# KiCad board GPDI_ULX3S_panel.kicad_pcb (continued)
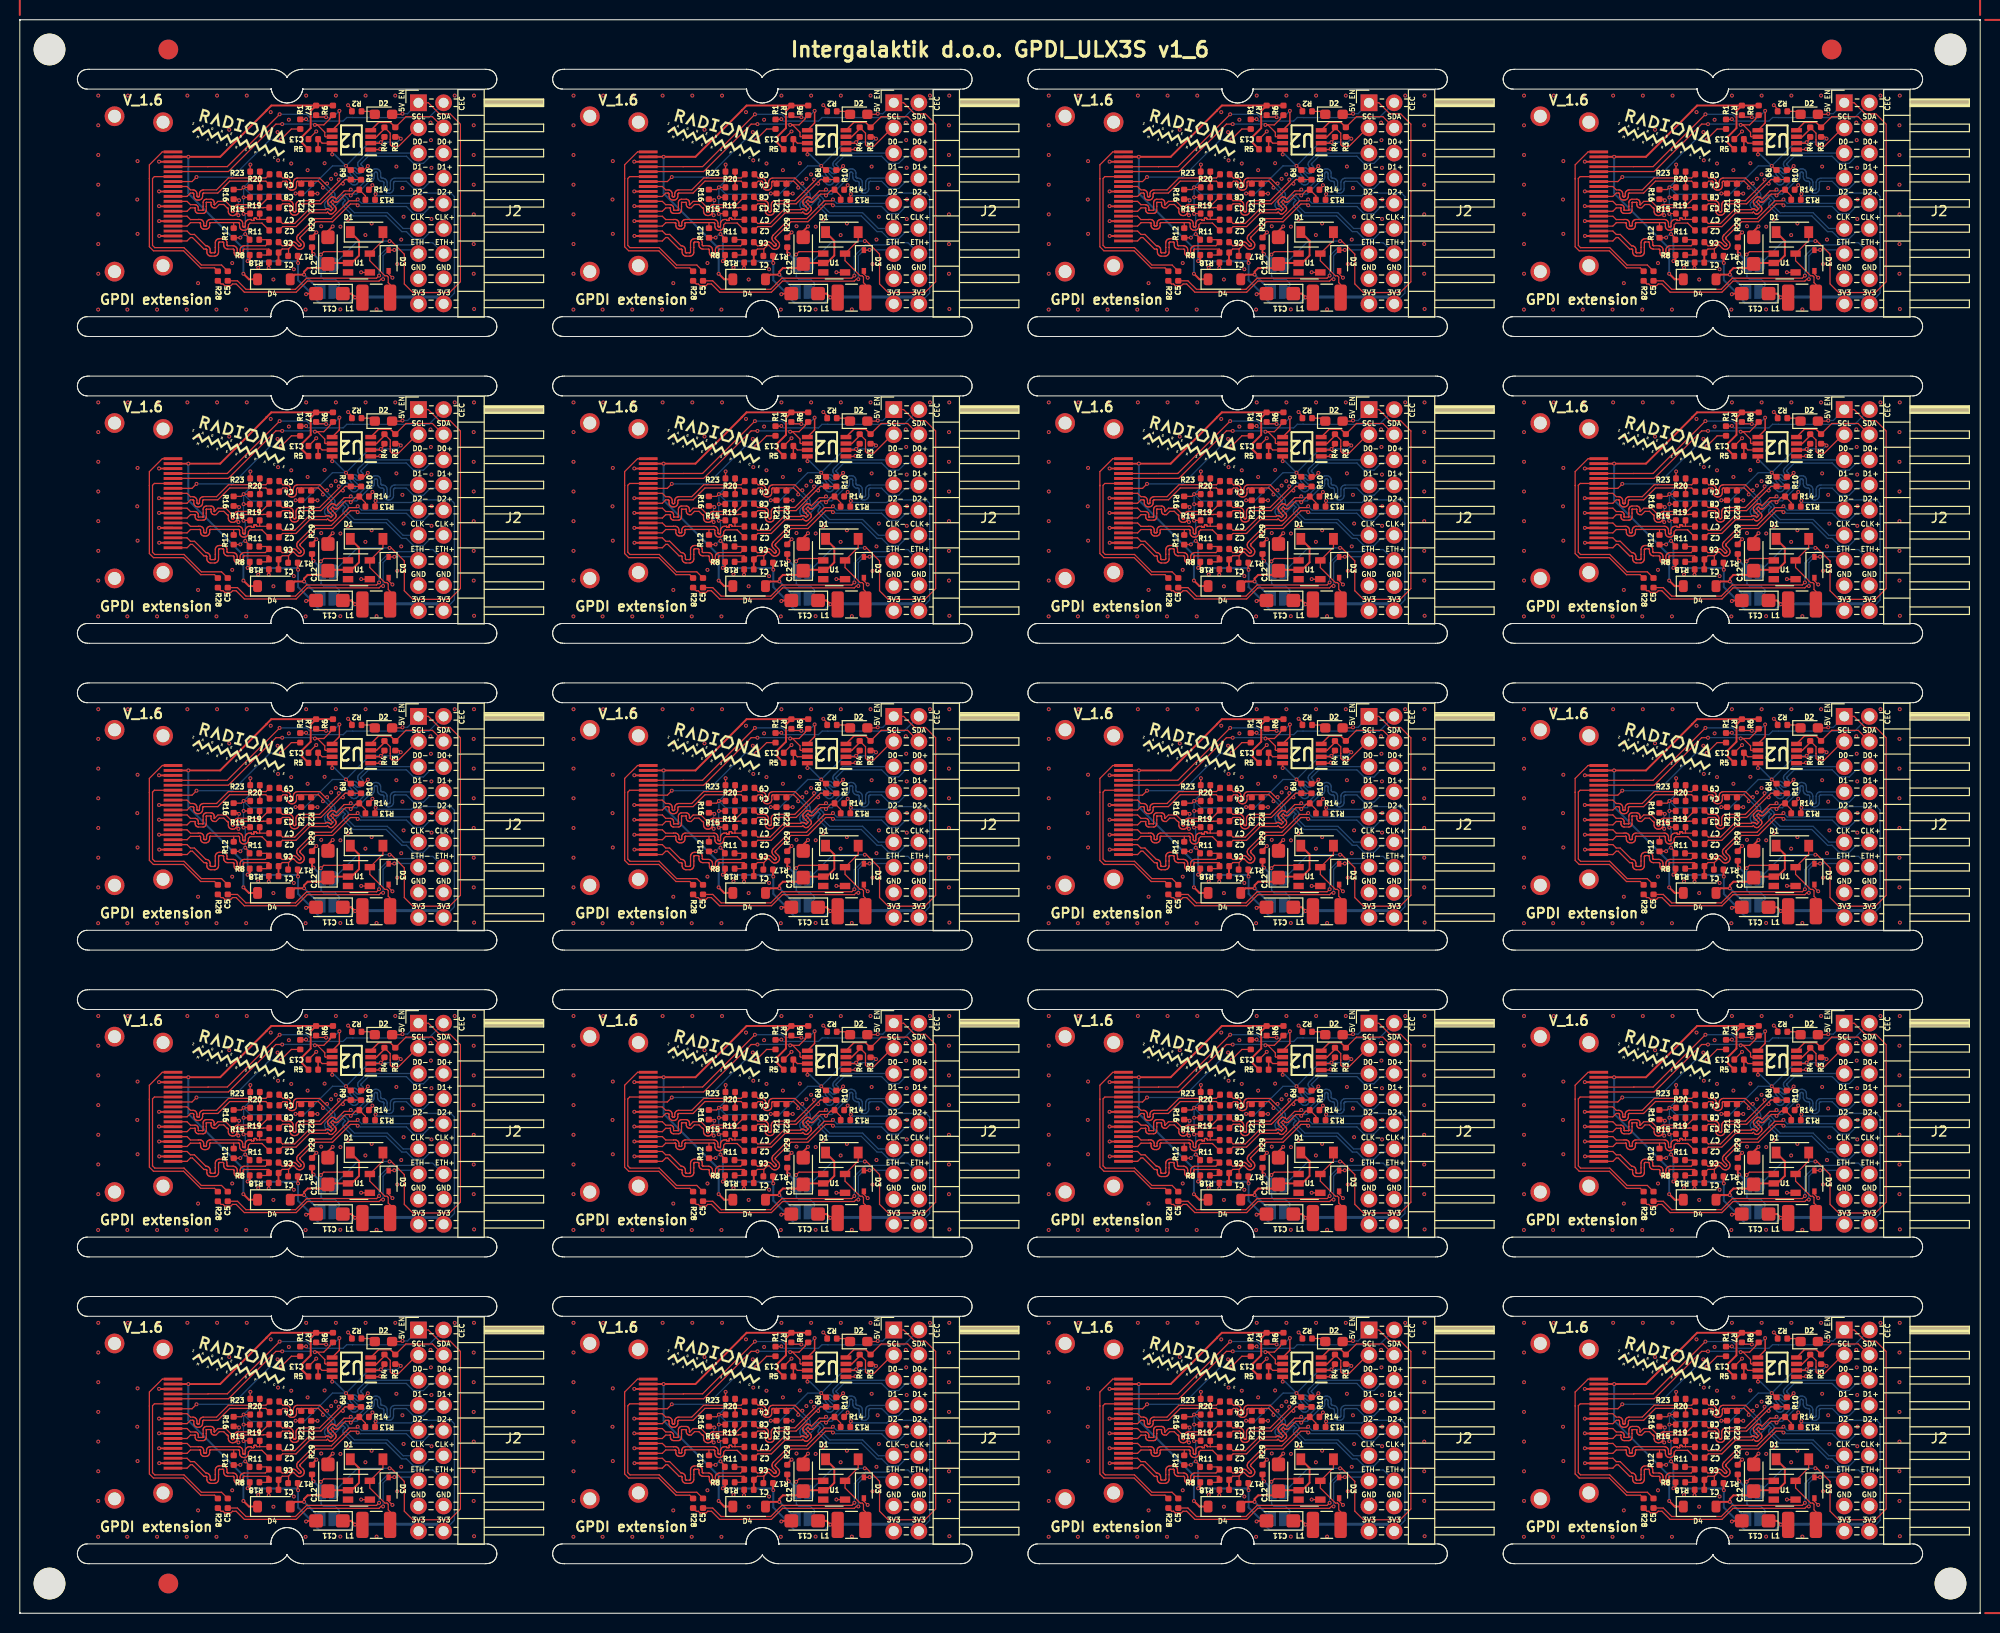
[diagram p0: board, top side]
## Nets (continued)
Board_6-GPDI_ETH+: C5#16.1 J2#5.14
Board_6-GPDI_ETH-: D3#5.1 J2#5.13 R28#18.2
Board_6-GPDI_SCL: P1#10.15 R6.2 U2#14.6
Board_6-GPDI_SDA: P1#10.16 R7#2.2 U2#14.5
Board_6-Net-(D1-A): D1#15.2 L1#9.2 U1#11.5
Board_6-Net-(D1-K): C12#4.1 D1#15.1 D4#13.2 JP2#19.1 U1#11.2
Board_6-Net-(D2-K): D2#20.1 R2#12.1
Board_6-Net-(U2-VREF2): C13#9.1 R5.2 U2#14.7
Board_6-PMOD_SCL: J2#5.3 R4#9.2 U2#14.3
Board_6-PMOD_SDA: J2#5.4 R3#8.2 U2#14.4
Board_7-5V_ENABLE: D2#12.2 J2#17.1 JP1#4.1 JP1#4.2 JP2#2.2 R29#15.1 U1#10.1
Board_7-+3V3: C11.1 J2#17.17 J2#17.18 L1#7.1 R3#9.1 R4#3.1 R8#17.1 R9#6.1 R11#3.1 R12#17.1 R13#13.1 R15#6.1 R16#13.1 R17#18.1 R19#13.1 R20#16.1 R21#15.1 R23#2.1 U2#7.2 U2#7.8
Board_7-+5V: D4#19.1 P1#13.18 R5#20.1 R6#8.1 R7#17.1
Board_7-/CEC: P1#13.13 R1#11.1
Board_7-/CLK+: C4#16.2 P1#13.10 R20#16.2
Board_7-/CLK-: C9#2.2 P1#13.12 R23#2.2
Board_7-/D0+: C3.2 P1#13.7 R16#13.2
Board_7-/D0-: C8#9.2 P1#13.9 R19#13.2
Board_7-/D1+: C2#5.2 P1#13.4 R12#17.2
Board_7-/D1-: C7#3.2 P1#13.6 R15#6.2
Board_7-/D2+: C1#20.2 P1#13.1 R8#17.2
Board_7-/D2-: C6#12.2 P1#13.3 R11#3.2
Board_7-/ETH+: C5#11.2 P1#13.14
Board_7-/ETH-: P1#13.19 R28#10.1
Board_7-GND: C11.2 C12#14.2 C13#2.2 D3#2.2 J2#17.15 J2#17.16 P1#13.0 P1#13.2 P1#13.5 P1#13.8 P1#13.11 P1#13.17 R2#11.2 R10#19.2 R14#17.2 R18#4.2 R22#6.2 R29#15.2 U1#10.4 U2#7.1
Board_7-GPDI_CEC: J2#17.2 R1#11.2
Board_7-GPDI_CLK+: C4#16.1 J2#17.12 R21#15.2 R22#6.1
Board_7-GPDI_CLK-: C9#2.1 J2#17.11
Board_7-GPDI_D0+: C3.1 J2#17.6 R9#6.2 R10#19.1
Board_7-GPDI_D0-: C8#9.1 J2#17.5
Board_7-GPDI_D1+: C2#5.1 J2#17.8 R13#13.2 R14#17.1
Board_7-GPDI_D1-: C7#3.1 J2#17.7
Board_7-GPDI_D2+: C1#20.1 J2#17.10 R17#18.2 R18#4.1
Board_7-GPDI_D2-: C6#12.1 J2#17.9
Board_7-GPDI_ETH+: C5#11.1 J2#17.14
Board_7-GPDI_ETH-: D3#2.1 J2#17.13 R28#10.2
Board_7-GPDI_SCL: P1#13.15 R6#8.2 U2#7.6
Board_7-GPDI_SDA: P1#13.16 R7#17.2 U2#7.5
Board_7-Net-(D1-A): D1#18.2 L1#7.2 U1#10.5
Board_7-Net-(D1-K): C12#14.1 D1#18.1 D4#19.2 JP2#2.1 U1#10.2
Board_7-Net-(D2-K): D2#12.1 R2#11.1
Board_7-Net-(U2-VREF2): C13#2.1 R5#20.2 U2#7.7
Board_7-PMOD_SCL: J2#17.3 R4#3.2 U2#7.3
Board_7-PMOD_SDA: J2#17.4 R3#9.2 U2#7.4
Board_8-5V_ENABLE: D2#3.2 J2#7.1 JP1#18.1 JP1#18.2 JP2#16.2 R29#3.1 U1#19.1
Board_8-+3V3: C11#4.1 J2#7.17 J2#7.18 L1#6.1 R3#10.1 R4#4.1 R8#7.1 R9#5.1 R11#16.1 R12#3.1 R13#12.1 R15#18.1 R16#17.1 R17#13.1 R19#17.1 R20#15.1 R21#19.1 R23#7.1 U2#3.2 U2#3.8
Board_8-+5V: D4#12.1 P1#11.18 R5#18.1 R6#11.1 R7#19.1
Board_8-/CEC: P1#11.13 R1#12.1
Board_8-/CLK+: C4.2 P1#11.10 R20#15.2
Board_8-/CLK-: C9#9.2 P1#11.12 R23#7.2
Board_8-/D0+: C3#14.2 P1#11.7 R16#17.2
Board_8-/D0-: C8#16.2 P1#11.9 R19#17.2
Board_8-/D1+: C2#17.2 P1#11.4 R12#3.2
Board_8-/D1-: C7.2 P1#11.6 R15#18.2
Board_8-/D2+: C1#16.2 P1#11.1 R8#7.2
Board_8-/D2-: C6#19.2 P1#11.3 R11#16.2
Board_8-/ETH+: C5.2 P1#11.14
Board_8-/ETH-: P1#11.19 R28#7.1
Board_8-GND: C11#4.2 C12#17.2 C13#16.2 D3#6.2 J2#7.15 J2#7.16 P1#11.0 P1#11.2 P1#11.5 P1#11.8 P1#11.11 P1#11.17 R2#5.2 R10#16.2 R14#14.2 R18#14.2 R22#20.2 R29#3.2 U1#19.4 U2#3.1
Board_8-GPDI_CEC: J2#7.2 R1#12.2
Board_8-GPDI_CLK+: C4.1 J2#7.12 R21#19.2 R22#20.1
Board_8-GPDI_CLK-: C9#9.1 J2#7.11
Board_8-GPDI_D0+: C3#14.1 J2#7.6 R9#5.2 R10#16.1
Board_8-GPDI_D0-: C8#16.1 J2#7.5
Board_8-GPDI_D1+: C2#17.1 J2#7.8 R13#12.2 R14#14.1
Board_8-GPDI_D1-: C7.1 J2#7.7
Board_8-GPDI_D2+: C1#16.1 J2#7.10 R17#13.2 R18#14.1
Board_8-GPDI_D2-: C6#19.1 J2#7.9
Board_8-GPDI_ETH+: C5.1 J2#7.14
Board_8-GPDI_ETH-: D3#6.1 J2#7.13 R28#7.2
Board_8-GPDI_SCL: P1#11.15 R6#11.2 U2#3.6
Board_8-GPDI_SDA: P1#11.16 R7#19.2 U2#3.5
Board_8-Net-(D1-A): D1#14.2 L1#6.2 U1#19.5
Board_8-Net-(D1-K): C12#17.1 D1#14.1 D4#12.2 JP2#16.1 U1#19.2
Board_8-Net-(D2-K): D2#3.1 R2#5.1
Board_8-Net-(U2-VREF2): C13#16.1 R5#18.2 U2#3.7
Board_8-PMOD_SCL: J2#7.3 R4#4.2 U2#3.3
Board_8-PMOD_SDA: J2#7.4 R3#10.2 U2#3.4
Board_9-5V_ENABLE: D2#5.2 J2.1 JP1#5.1 JP1#5.2 JP2#7.2 R29#6.1 U1#16.1
Board_9-+3V3: C11#5.1 J2.17 J2.18 L1#13.1 R3#7.1 R4#13.1 R8#4.1 R9#4.1 R11#20.1 R12#2.1 R13#17.1 R15#19.1 R16.1 R17#5.1 R19#3.1 R20#4.1 R21#4.1 R23#17.1 U2#15.2 U2#15.8
Board_9-+5V: D4#3.1 P1#3.18 R5#7.1 R6#18.1 R7#6.1
Board_9-/CEC: P1#3.13 R1#6.1
Board_9-/CLK+: C4#3.2 P1#3.10 R20#4.2
Board_9-/CLK-: C9#3.2 P1#3.12 R23#17.2
Board_9-/D0+: C3#19.2 P1#3.7 R16.2
Board_9-/D0-: C8#4.2 P1#3.9 R19#3.2
Board_9-/D1+: C2#19.2 P1#3.4 R12#2.2
Board_9-/D1-: C7#6.2 P1#3.6 R15#19.2
Board_9-/D2+: C1#4.2 P1#3.1 R8#4.2
Board_9-/D2-: C6#8.2 P1#3.3 R11#20.2
Board_9-/ETH+: C5#20.2 P1#3.14
Board_9-/ETH-: P1#3.19 R28#2.1
Board_9-GND: C11#5.2 C12#18.2 C13#4.2 D3#4.2 J2.15 J2.16 P1#3.0 P1#3.2 P1#3.5 P1#3.8 P1#3.11 P1#3.17 R2#17.2 R10#7.2 R14#8.2 R18#17.2 R22#3.2 R29#6.2 U1#16.4 U2#15.1
Board_9-GPDI_CEC: J2.2 R1#6.2
Board_9-GPDI_CLK+: C4#3.1 J2.12 R21#4.2 R22#3.1
Board_9-GPDI_CLK-: C9#3.1 J2.11
Board_9-GPDI_D0+: C3#19.1 J2.6 R9#4.2 R10#7.1
Board_9-GPDI_D0-: C8#4.1 J2.5
Board_9-GPDI_D1+: C2#19.1 J2.8 R13#17.2 R14#8.1
Board_9-GPDI_D1-: C7#6.1 J2.7
Board_9-GPDI_D2+: C1#4.1 J2.10 R17#5.2 R18#17.1
Board_9-GPDI_D2-: C6#8.1 J2.9
Board_9-GPDI_ETH+: C5#20.1 J2.14
Board_9-GPDI_ETH-: D3#4.1 J2.13 R28#2.2
Board_9-GPDI_SCL: P1#3.15 R6#18.2 U2#15.6
Board_9-GPDI_SDA: P1#3.16 R7#6.2 U2#15.5
Board_9-Net-(D1-A): D1#11.2 L1#13.2 U1#16.5
Board_9-Net-(D1-K): C12#18.1 D1#11.1 D4#3.2 JP2#7.1 U1#16.2
Board_9-Net-(D2-K): D2#5.1 R2#17.1
Board_9-Net-(U2-VREF2): C13#4.1 R5#7.2 U2#15.7
Board_9-PMOD_SCL: J2.3 R4#13.2 U2#15.3
Board_9-PMOD_SDA: J2.4 R3#7.2 U2#15.4
Board_10-5V_ENABLE: D2#9.2 J2#13.1 JP1#9.1 JP1#9.2 JP2#13.2 R29#11.1 U1#9.1
Board_10-+3V3: C11#7.1 J2#13.17 J2#13.18 L1#10.1 R3#17.1 R4#6.1 R8#8.1 R9#8.1 R11#11.1 R12.1 R13#15.1 R15#3.1 R16#18.1 R17#4.1 R19#20.1 R20#9.1 R21#16.1 R23#19.1 U2#9.2 U2#9.8
Board_10-+5V: D4#18.1 P1#14.18 R5#17.1 R6#20.1 R7#10.1
Board_10-/CEC: P1#14.13 R1#14.1
Board_10-/CLK+: C4#17.2 P1#14.10 R20#9.2
Board_10-/CLK-: C9#14.2 P1#14.12 R23#19.2
Board_10-/D0+: C3#3.2 P1#14.7 R16#18.2
Board_10-/D0-: C8#3.2 P1#14.9 R19#20.2
Board_10-/D1+: C2#7.2 P1#14.4 R12.2
Board_10-/D1-: C7#18.2 P1#14.6 R15#3.2
Board_10-/D2+: C1#11.2 P1#14.1 R8#8.2
Board_10-/D2-: C6#18.2 P1#14.3 R11#11.2
Board_10-/ETH+: C5#7.2 P1#14.14
Board_10-/ETH-: P1#14.19 R28#17.1
Board_10-GND: C11#7.2 C12#19.2 C13#11.2 D3#9.2 J2#13.15 J2#13.16 P1#14.0 P1#14.2 P1#14.5 P1#14.8 P1#14.11 P1#14.17 R2#6.2 R10#11.2 R14#16.2 R18#12.2 R22#7.2 R29#11.2 U1#9.4 U2#9.1
Board_10-GPDI_CEC: J2#13.2 R1#14.2
Board_10-GPDI_CLK+: C4#17.1 J2#13.12 R21#16.2 R22#7.1
Board_10-GPDI_CLK-: C9#14.1 J2#13.11
Board_10-GPDI_D0+: C3#3.1 J2#13.6 R9#8.2 R10#11.1
Board_10-GPDI_D0-: C8#3.1 J2#13.5
Board_10-GPDI_D1+: C2#7.1 J2#13.8 R13#15.2 R14#16.1
Board_10-GPDI_D1-: C7#18.1 J2#13.7
Board_10-GPDI_D2+: C1#11.1 J2#13.10 R17#4.2 R18#12.1
Board_10-GPDI_D2-: C6#18.1 J2#13.9
Board_10-GPDI_ETH+: C5#7.1 J2#13.14
Board_10-GPDI_ETH-: D3#9.1 J2#13.13 R28#17.2
Board_10-GPDI_SCL: P1#14.15 R6#20.2 U2#9.6
Board_10-GPDI_SDA: P1#14.16 R7#10.2 U2#9.5
Board_10-Net-(D1-A): D1#5.2 L1#10.2 U1#9.5
Board_10-Net-(D1-K): C12#19.1 D1#5.1 D4#18.2 JP2#13.1 U1#9.2
Board_10-Net-(D2-K): D2#9.1 R2#6.1
Board_10-Net-(U2-VREF2): C13#11.1 R5#17.2 U2#9.7
Board_10-PMOD_SCL: J2#13.3 R4#6.2 U2#9.3
Board_10-PMOD_SDA: J2#13.4 R3#17.2 U2#9.4
Board_11-5V_ENABLE: D2.2 J2#12.1 JP1#17.1 JP1#17.2 JP2#11.2 R29#7.1 U1#17.1
Board_11-+3V3: C11#18.1 J2#12.17 J2#12.18 L1#5.1 R3#15.1 R4#18.1 R8#10.1 R9#10.1 R11#5.1 R12#15.1 R13#10.1 R15#20.1 R16#14.1 R17#2.1 R19#4.1 R20.1 R21#12.1 R23#15.1 U2#5.2 U2#5.8
Board_11-+5V: D4#17.1 P1#8.18 R5#4.1 R6#7.1 R7#5.1
Board_11-/CEC: P1#8.13 R1#17.1
Board_11-/CLK+: C4#6.2 P1#8.10 R20.2
Board_11-/CLK-: C9#11.2 P1#8.12 R23#15.2
Board_11-/D0+: C3#15.2 P1#8.7 R16#14.2
Board_11-/D0-: C8#14.2 P1#8.9 R19#4.2
Board_11-/D1+: C2#14.2 P1#8.4 R12#15.2
Board_11-/D1-: C7#13.2 P1#8.6 R15#20.2
Board_11-/D2+: C1#15.2 P1#8.1 R8#10.2
Board_11-/D2-: C6#20.2 P1#8.3 R11#5.2
Board_11-/ETH+: C5#5.2 P1#8.14
Board_11-/ETH-: P1#8.19 R28#19.1
Board_11-GND: C11#18.2 C12#11.2 C13#14.2 D3#7.2 J2#12.15 J2#12.16 P1#8.0 P1#8.2 P1#8.5 P1#8.8 P1#8.11 P1#8.17 R2#9.2 R10#15.2 R14#18.2 R18#15.2 R22#18.2 R29#7.2 U1#17.4 U2#5.1
Board_11-GPDI_CEC: J2#12.2 R1#17.2
Board_11-GPDI_CLK+: C4#6.1 J2#12.12 R21#12.2 R22#18.1
Board_11-GPDI_CLK-: C9#11.1 J2#12.11
Board_11-GPDI_D0+: C3#15.1 J2#12.6 R9#10.2 R10#15.1
Board_11-GPDI_D0-: C8#14.1 J2#12.5
Board_11-GPDI_D1+: C2#14.1 J2#12.8 R13#10.2 R14#18.1
Board_11-GPDI_D1-: C7#13.1 J2#12.7
Board_11-GPDI_D2+: C1#15.1 J2#12.10 R17#2.2 R18#15.1
Board_11-GPDI_D2-: C6#20.1 J2#12.9
Board_11-GPDI_ETH+: C5#5.1 J2#12.14
Board_11-GPDI_ETH-: D3#7.1 J2#12.13 R28#19.2
Board_11-GPDI_SCL: P1#8.15 R6#7.2 U2#5.6
Board_11-GPDI_SDA: P1#8.16 R7#5.2 U2#5.5
Board_11-Net-(D1-A): D1#10.2 L1#5.2 U1#17.5
Board_11-Net-(D1-K): C12#11.1 D1#10.1 D4#17.2 JP2#11.1 U1#17.2
Board_11-Net-(D2-K): D2.1 R2#9.1
Board_11-Net-(U2-VREF2): C13#14.1 R5#4.2 U2#5.7
Board_11-PMOD_SCL: J2#12.3 R4#18.2 U2#5.3
Board_11-PMOD_SDA: J2#12.4 R3#15.2 U2#5.4
Board_12-5V_ENABLE: D2#14.2 J2#14.1 JP1#13.1 JP1#13.2 JP2#12.2 R29#9.1 U1#2.1
Board_12-+3V3: C11#8.1 J2#14.17 J2#14.18 L1#12.1 R3#16.1 R4#17.1 R8#11.1 R9#15.1 R11#12.1 R12#9.1 R13#14.1 R15#17.1 R16#4.1 R17#14.1 R19#14.1 R20#11.1 R21#2.1 R23#12.1 U2#8.2 U2#8.8
Board_12-+5V: D4#5.1 P1#17.18 R5#12.1 R6#13.1 R7#18.1
Board_12-/CEC: P1#17.13 R1#8.1
Board_12-/CLK+: C4#18.2 P1#17.10 R20#11.2
Board_12-/CLK-: C9#8.2 P1#17.12 R23#12.2
Board_12-/D0+: C3#16.2 P1#17.7 R16#4.2
Board_12-/D0-: C8#18.2 P1#17.9 R19#14.2
Board_12-/D1+: C2#10.2 P1#17.4 R12#9.2
Board_12-/D1-: C7#17.2 P1#17.6 R15#17.2
Board_12-/D2+: C1#9.2 P1#17.1 R8#11.2
Board_12-/D2-: C6#5.2 P1#17.3 R11#12.2
Board_12-/ETH+: C5#14.2 P1#17.14
Board_12-/ETH-: P1#17.19 R28#14.1
Board_12-GND: C11#8.2 C12#5.2 C13#17.2 D3#15.2 J2#14.15 J2#14.16 P1#17.0 P1#17.2 P1#17.5 P1#17.8 P1#17.11 P1#17.17 R2#14.2 R10.2 R14#7.2 R18.2 R22#19.2 R29#9.2 U1#2.4 U2#8.1
Board_12-GPDI_CEC: J2#14.2 R1#8.2
Board_12-GPDI_CLK+: C4#18.1 J2#14.12 R21#2.2 R22#19.1
Board_12-GPDI_CLK-: C9#8.1 J2#14.11
Board_12-GPDI_D0+: C3#16.1 J2#14.6 R9#15.2 R10.1
Board_12-GPDI_D0-: C8#18.1 J2#14.5
Board_12-GPDI_D1+: C2#10.1 J2#14.8 R13#14.2 R14#7.1
Board_12-GPDI_D1-: C7#17.1 J2#14.7
Board_12-GPDI_D2+: C1#9.1 J2#14.10 R17#14.2 R18.1
Board_12-GPDI_D2-: C6#5.1 J2#14.9
Board_12-GPDI_ETH+: C5#14.1 J2#14.14
Board_12-GPDI_ETH-: D3#15.1 J2#14.13 R28#14.2
Board_12-GPDI_SCL: P1#17.15 R6#13.2 U2#8.6
Board_12-GPDI_SDA: P1#17.16 R7#18.2 U2#8.5
Board_12-Net-(D1-A): D1#4.2 L1#12.2 U1#2.5
Board_12-Net-(D1-K): C12#5.1 D1#4.1 D4#5.2 JP2#12.1 U1#2.2
Board_12-Net-(D2-K): D2#14.1 R2#14.1
Board_12-Net-(U2-VREF2): C13#17.1 R5#12.2 U2#8.7
Board_12-PMOD_SCL: J2#14.3 R4#17.2 U2#8.3
Board_12-PMOD_SDA: J2#14.4 R3#16.2 U2#8.4
Board_13-5V_ENABLE: D2#8.2 J2#3.1 JP1#7.1 JP1#7.2 JP2#8.2 R29#14.1 U1#20.1
Board_13-+3V3: C11#17.1 J2#3.17 J2#3.18 L1#4.1 R3#4.1 R4#5.1 R8#3.1 R9#17.1 R11#10.1 R12#13.1 R13#7.1 R15#4.1 R16#2.1 R17#11.1 R19#6.1 R20#3.1 R21.1 R23#8.1 U2#6.2 U2#6.8
Board_13-+5V: D4#6.1 P1#7.18 R5#14.1 R6#19.1 R7#4.1
Board_13-/CEC: P1#7.13 R1#4.1
Board_13-/CLK+: C4#2.2 P1#7.10 R20#3.2
Board_13-/CLK-: C9#6.2 P1#7.12 R23#8.2
Board_13-/D0+: C3#4.2 P1#7.7 R16#2.2
Board_13-/D0-: C8#10.2 P1#7.9 R19#6.2
Board_13-/D1+: C2#15.2 P1#7.4 R12#13.2
Board_13-/D1-: C7#14.2 P1#7.6 R15#4.2
Board_13-/D2+: C1#19.2 P1#7.1 R8#3.2
Board_13-/D2-: C6#13.2 P1#7.3 R11#10.2
Board_13-/ETH+: C5#4.2 P1#7.14
Board_13-/ETH-: P1#7.19 R28#5.1
Board_13-GND: C11#17.2 C12#3.2 C13#19.2 D3#16.2 J2#3.15 J2#3.16 P1#7.0 P1#7.2 P1#7.5 P1#7.8 P1#7.11 P1#7.17 R2#4.2 R10#20.2 R14#20.2 R18#13.2 R22#8.2 R29#14.2 U1#20.4 U2#6.1
Board_13-GPDI_CEC: J2#3.2 R1#4.2
Board_13-GPDI_CLK+: C4#2.1 J2#3.12 R21.2 R22#8.1
Board_13-GPDI_CLK-: C9#6.1 J2#3.11
Board_13-GPDI_D0+: C3#4.1 J2#3.6 R9#17.2 R10#20.1
Board_13-GPDI_D0-: C8#10.1 J2#3.5
Board_13-GPDI_D1+: C2#15.1 J2#3.8 R13#7.2 R14#20.1
Board_13-GPDI_D1-: C7#14.1 J2#3.7
Board_13-GPDI_D2+: C1#19.1 J2#3.10 R17#11.2 R18#13.1
Board_13-GPDI_D2-: C6#13.1 J2#3.9
Board_13-GPDI_ETH+: C5#4.1 J2#3.14
Board_13-GPDI_ETH-: D3#16.1 J2#3.13 R28#5.2
Board_13-GPDI_SCL: P1#7.15 R6#19.2 U2#6.6
Board_13-GPDI_SDA: P1#7.16 R7#4.2 U2#6.5
Board_13-Net-(D1-A): D1#7.2 L1#4.2 U1#20.5
Board_13-Net-(D1-K): C12#3.1 D1#7.1 D4#6.2 JP2#8.1 U1#20.2
Board_13-Net-(D2-K): D2#8.1 R2#4.1
Board_13-Net-(U2-VREF2): C13#19.1 R5#14.2 U2#6.7
Board_13-PMOD_SCL: J2#3.3 R4#5.2 U2#6.3
Board_13-PMOD_SDA: J2#3.4 R3#4.2 U2#6.4
Board_14-5V_ENABLE: D2#18.2 J2#11.1 JP1#19.1 JP1#19.2 JP2#9.2 R29.1 U1#15.1
Board_14-+3V3: C11#16.1 J2#11.17 J2#11.18 L1#17.1 R3#3.1 R4#11.1 R8#20.1 R9#19.1 R11#18.1 R12#8.1 R13#5.1 R15#8.1 R16#7.1 R17#9.1 R19#8.1 R20#19.1 R21#5.1 R23#16.1 U2#13.2 U2#13.8
Board_14-+5V: D4#20.1 P1#19.18 R5#6.1 R6#2.1 R7#9.1
Board_14-/CEC: P1#19.13 R1#16.1
Board_14-/CLK+: C4#15.2 P1#19.10 R20#19.2
Board_14-/CLK-: C9#7.2 P1#19.12 R23#16.2
Board_14-/D0+: C3#10.2 P1#19.7 R16#7.2
Board_14-/D0-: C8#2.2 P1#19.9 R19#8.2
Board_14-/D1+: C2.2 P1#19.4 R12#8.2
Board_14-/D1-: C7#10.2 P1#19.6 R15#8.2
Board_14-/D2+: C1#8.2 P1#19.1 R8#20.2
Board_14-/D2-: C6#7.2 P1#19.3 R11#18.2
Board_14-/ETH+: C5#3.2 P1#19.14
Board_14-/ETH-: P1#19.19 R28#4.1
Board_14-GND: C11#16.2 C12#8.2 C13#13.2 D3#8.2 J2#11.15 J2#11.16 P1#19.0 P1#19.2 P1#19.5 P1#19.8 P1#19.11 P1#19.17 R2#13.2 R10#3.2 R14#13.2 R18#5.2 R22#2.2 R29.2 U1#15.4 U2#13.1
Board_14-GPDI_CEC: J2#11.2 R1#16.2
Board_14-GPDI_CLK+: C4#15.1 J2#11.12 R21#5.2 R22#2.1
Board_14-GPDI_CLK-: C9#7.1 J2#11.11
Board_14-GPDI_D0+: C3#10.1 J2#11.6 R9#19.2 R10#3.1
Board_14-GPDI_D0-: C8#2.1 J2#11.5
Board_14-GPDI_D1+: C2.1 J2#11.8 R13#5.2 R14#13.1
Board_14-GPDI_D1-: C7#10.1 J2#11.7
Board_14-GPDI_D2+: C1#8.1 J2#11.10 R17#9.2 R18#5.1
Board_14-GPDI_D2-: C6#7.1 J2#11.9
Board_14-GPDI_ETH+: C5#3.1 J2#11.14
Board_14-GPDI_ETH-: D3#8.1 J2#11.13 R28#4.2
Board_14-GPDI_SCL: P1#19.15 R6#2.2 U2#13.6
Board_14-GPDI_SDA: P1#19.16 R7#9.2 U2#13.5
Board_14-Net-(D1-A): D1#12.2 L1#17.2 U1#15.5
Board_14-Net-(D1-K): C12#8.1 D1#12.1 D4#20.2 JP2#9.1 U1#15.2
Board_14-Net-(D2-K): D2#18.1 R2#13.1
Board_14-Net-(U2-VREF2): C13#13.1 R5#6.2 U2#13.7
Board_14-PMOD_SCL: J2#11.3 R4#11.2 U2#13.3
Board_14-PMOD_SDA: J2#11.4 R3#3.2 U2#13.4
Board_15-5V_ENABLE: D2#15.2 J2#15.1 JP1#16.1 JP1#16.2 JP2#3.2 R29#17.1 U1#5.1
Board_15-+3V3: C11#9.1 J2#15.17 J2#15.18 L1.1 R3#12.1 R4#19.1 R8#13.1 R9#2.1 R11#7.1 R12#11.1 R13#19.1 R15#12.1 R16#12.1 R17#17.1 R19#19.1 R20#7.1 R21#9.1 R23#5.1 U2#19.2 U2#19.8
Board_15-+5V: D4#8.1 P1#9.18 R5#11.1 R6#16.1 R7#7.1
Board_15-/CEC: P1#9.13 R1#10.1
Board_15-/CLK+: C4#20.2 P1#9.10 R20#7.2
Board_15-/CLK-: C9#18.2 P1#9.12 R23#5.2
Board_15-/D0+: C3#17.2 P1#9.7 R16#12.2
Board_15-/D0-: C8#17.2 P1#9.9 R19#19.2
Board_15-/D1+: C2#18.2 P1#9.4 R12#11.2
Board_15-/D1-: C7#5.2 P1#9.6 R15#12.2
Board_15-/D2+: C1#12.2 P1#9.1 R8#13.2
Board_15-/D2-: C6#14.2 P1#9.3 R11#7.2
Board_15-/ETH+: C5#15.2 P1#9.14
Board_15-/ETH-: P1#9.19 R28#6.1
Board_15-GND: C11#9.2 C12#9.2 C13.2 D3#3.2 J2#15.15 J2#15.16 P1#9.0 P1#9.2 P1#9.5 P1#9.8 P1#9.11 P1#9.17 R2#3.2 R10#2.2 R14#19.2 R18#7.2 R22#17.2 R29#17.2 U1#5.4 U2#19.1
Board_15-GPDI_CEC: J2#15.2 R1#10.2
Board_15-GPDI_CLK+: C4#20.1 J2#15.12 R21#9.2 R22#17.1
Board_15-GPDI_CLK-: C9#18.1 J2#15.11
Board_15-GPDI_D0+: C3#17.1 J2#15.6 R9#2.2 R10#2.1
Board_15-GPDI_D0-: C8#17.1 J2#15.5
Board_15-GPDI_D1+: C2#18.1 J2#15.8 R13#19.2 R14#19.1
Board_15-GPDI_D1-: C7#5.1 J2#15.7
Board_15-GPDI_D2+: C1#12.1 J2#15.10 R17#17.2 R18#7.1
Board_15-GPDI_D2-: C6#14.1 J2#15.9
Board_15-GPDI_ETH+: C5#15.1 J2#15.14
Board_15-GPDI_ETH-: D3#3.1 J2#15.13 R28#6.2
Board_15-GPDI_SCL: P1#9.15 R6#16.2 U2#19.6
Board_15-GPDI_SDA: P1#9.16 R7#7.2 U2#19.5
Board_15-Net-(D1-A): D1#9.2 L1.2 U1#5.5
Board_15-Net-(D1-K): C12#9.1 D1#9.1 D4#8.2 JP2#3.1 U1#5.2
Board_15-Net-(D2-K): D2#15.1 R2#3.1
Board_15-Net-(U2-VREF2): C13.1 R5#11.2 U2#19.7
Board_15-PMOD_SCL: J2#15.3 R4#19.2 U2#19.3
Board_15-PMOD_SDA: J2#15.4 R3#12.2 U2#19.4
Board_16-5V_ENABLE: D2#4.2 J2#4.1 JP1#14.1 JP1#14.2 JP2#17.2 R29#10.1 U1#7.1
Board_16-+3V3: C11#3.1 J2#4.17 J2#4.18 L1#14.1 R3#19.1 R4#14.1 R8#5.1 R9#12.1 R11.1 R12#12.1 R13#6.1 R15#11.1 R16#9.1 R17#3.1 R19#15.1 R20#18.1 R21#10.1 R23#4.1 U2#10.2 U2#10.8
Board_16-+5V: D4#9.1 P1#18.18 R5#16.1 R6#17.1 R7#11.1
Board_16-/CEC: P1#18.13 R1#19.1
Board_16-/CLK+: C4#19.2 P1#18.10 R20#18.2
Board_16-/CLK-: C9.2 P1#18.12 R23#4.2
Board_16-/D0+: C3#8.2 P1#18.7 R16#9.2
Board_16-/D0-: C8#15.2 P1#18.9 R19#15.2
Board_16-/D1+: C2#12.2 P1#18.4 R12#12.2
Board_16-/D1-: C7#2.2 P1#18.6 R15#11.2
Board_16-/D2+: C1.2 P1#18.1 R8#5.2
Board_16-/D2-: C6#2.2 P1#18.3 R11.2
Board_16-/ETH+: C5#6.2 P1#18.14
Board_16-/ETH-: P1#18.19 R28#9.1
Board_16-GND: C11#3.2 C12#10.2 C13#5.2 D3.2 J2#4.15 J2#4.16 P1#18.0 P1#18.2 P1#18.5 P1#18.8 P1#18.11 P1#18.17 R2#8.2 R10#17.2 R14#9.2 R18#2.2 R22#10.2 R29#10.2 U1#7.4 U2#10.1
Board_16-GPDI_CEC: J2#4.2 R1#19.2
Board_16-GPDI_CLK+: C4#19.1 J2#4.12 R21#10.2 R22#10.1
Board_16-GPDI_CLK-: C9.1 J2#4.11
Board_16-GPDI_D0+: C3#8.1 J2#4.6 R9#12.2 R10#17.1
Board_16-GPDI_D0-: C8#15.1 J2#4.5
Board_16-GPDI_D1+: C2#12.1 J2#4.8 R13#6.2 R14#9.1
Board_16-GPDI_D1-: C7#2.1 J2#4.7
Board_16-GPDI_D2+: C1.1 J2#4.10 R17#3.2 R18#2.1
Board_16-GPDI_D2-: C6#2.1 J2#4.9
Board_16-GPDI_ETH+: C5#6.1 J2#4.14
Board_16-GPDI_ETH-: D3.1 J2#4.13 R28#9.2
Board_16-GPDI_SCL: P1#18.15 R6#17.2 U2#10.6
Board_16-GPDI_SDA: P1#18.16 R7#11.2 U2#10.5
Board_16-Net-(D1-A): D1#8.2 L1#14.2 U1#7.5
Board_16-Net-(D1-K): C12#10.1 D1#8.1 D4#9.2 JP2#17.1 U1#7.2
Board_16-Net-(D2-K): D2#4.1 R2#8.1
Board_16-Net-(U2-VREF2): C13#5.1 R5#16.2 U2#10.7
Board_16-PMOD_SCL: J2#4.3 R4#14.2 U2#10.3
Board_16-PMOD_SDA: J2#4.4 R3#19.2 U2#10.4
Board_17-5V_ENABLE: D2#6.2 J2#20.1 JP1#15.1 JP1#15.2 JP2#4.2 R29#20.1 U1#12.1
Board_17-+3V3: C11#6.1 J2#20.17 J2#20.18 L1#8.1 R3#2.1 R4#8.1 R8#6.1 R9#9.1 R11#15.1 R12#5.1 R13#16.1 R15#2.1 R16#10.1 R17#16.1 R19#7.1 R20#5.1 R21#6.1 R23#20.1 U2#16.2 U2#16.8
Board_17-+5V: D4#7.1 P1#15.18 R5#19.1 R6#6.1 R7#14.1
Board_17-/CEC: P1#15.13 R1#2.1
Board_17-/CLK+: C4#5.2 P1#15.10 R20#5.2
Board_17-/CLK-: C9#20.2 P1#15.12 R23#20.2
Board_17-/D0+: C3#9.2 P1#15.7 R16#10.2
Board_17-/D0-: C8#11.2 P1#15.9 R19#7.2
Board_17-/D1+: C2#3.2 P1#15.4 R12#5.2
Board_17-/D1-: C7#9.2 P1#15.6 R15#2.2
Board_17-/D2+: C1#13.2 P1#15.1 R8#6.2
Board_17-/D2-: C6.2 P1#15.3 R11#15.2
Board_17-/ETH+: C5#18.2 P1#15.14
Board_17-/ETH-: P1#15.19 R28.1
Board_17-GND: C11#6.2 C12#6.2 C13#7.2 D3#10.2 J2#20.15 J2#20.16 P1#15.0 P1#15.2 P1#15.5 P1#15.8 P1#15.11 P1#15.17 R2#18.2 R10#5.2 R14#10.2 R18#16.2 R22#15.2 R29#20.2 U1#12.4 U2#16.1
Board_17-GPDI_CEC: J2#20.2 R1#2.2
Board_17-GPDI_CLK+: C4#5.1 J2#20.12 R21#6.2 R22#15.1
Board_17-GPDI_CLK-: C9#20.1 J2#20.11
Board_17-GPDI_D0+: C3#9.1 J2#20.6 R9#9.2 R10#5.1
Board_17-GPDI_D0-: C8#11.1 J2#20.5
Board_17-GPDI_D1+: C2#3.1 J2#20.8 R13#16.2 R14#10.1
Board_17-GPDI_D1-: C7#9.1 J2#20.7
Board_17-GPDI_D2+: C1#13.1 J2#20.10 R17#16.2 R18#16.1
Board_17-GPDI_D2-: C6.1 J2#20.9
Board_17-GPDI_ETH+: C5#18.1 J2#20.14
Board_17-GPDI_ETH-: D3#10.1 J2#20.13 R28.2
Board_17-GPDI_SCL: P1#15.15 R6#6.2 U2#16.6
Board_17-GPDI_SDA: P1#15.16 R7#14.2 U2#16.5
Board_17-Net-(D1-A): D1#16.2 L1#8.2 U1#12.5
Board_17-Net-(D1-K): C12#6.1 D1#16.1 D4#7.2 JP2#4.1 U1#12.2
Board_17-Net-(D2-K): D2#6.1 R2#18.1
Board_17-Net-(U2-VREF2): C13#7.1 R5#19.2 U2#16.7
Board_17-PMOD_SCL: J2#20.3 R4#8.2 U2#16.3
Board_17-PMOD_SDA: J2#20.4 R3#2.2 U2#16.4
Board_18-5V_ENABLE: D2#11.2 J2#10.1 JP1#11.1 JP1#11.2 JP2#10.2 R29#16.1 U1#3.1
Board_18-+3V3: C11#10.1 J2#10.17 J2#10.18 L1#11.1 R3#18.1 R4#15.1 R8#12.1 R9#14.1 R11#8.1 R12#19.1 R13#20.1 R15#15.1 R16#8.1 R17#6.1 R19#12.1 R20#12.1 R21#20.1 R23#14.1 U2#20.2 U2#20.8
Board_18-+5V: D4#14.1 P1#20.18 R5#5.1 R6#15.1 R7#12.1
Board_18-/CEC: P1#20.13 R1#13.1
Board_18-/CLK+: C4#7.2 P1#20.10 R20#12.2
Board_18-/CLK-: C9#13.2 P1#20.12 R23#14.2
Board_18-/D0+: C3#12.2 P1#20.7 R16#8.2
Board_18-/D0-: C8#8.2 P1#20.9 R19#12.2
Board_18-/D1+: C2#4.2 P1#20.4 R12#19.2
Board_18-/D1-: C7#15.2 P1#20.6 R15#15.2
Board_18-/D2+: C1#18.2 P1#20.1 R8#12.2
Board_18-/D2-: C6#11.2 P1#20.3 R11#8.2
Board_18-/ETH+: C5#19.2 P1#20.14
Board_18-/ETH-: P1#20.19 R28#12.1
Board_18-GND: C11#10.2 C12.2 C13#6.2 D3#17.2 J2#10.15 J2#10.16 P1#20.0 P1#20.2 P1#20.5 P1#20.8 P1#20.11 P1#20.17 R2#16.2 R10#18.2 R14.2 R18#10.2 R22#4.2 R29#16.2 U1#3.4 U2#20.1
Board_18-GPDI_CEC: J2#10.2 R1#13.2
Board_18-GPDI_CLK+: C4#7.1 J2#10.12 R21#20.2 R22#4.1
Board_18-GPDI_CLK-: C9#13.1 J2#10.11
Board_18-GPDI_D0+: C3#12.1 J2#10.6 R9#14.2 R10#18.1
Board_18-GPDI_D0-: C8#8.1 J2#10.5
Board_18-GPDI_D1+: C2#4.1 J2#10.8 R13#20.2 R14.1
Board_18-GPDI_D1-: C7#15.1 J2#10.7
Board_18-GPDI_D2+: C1#18.1 J2#10.10 R17#6.2 R18#10.1
Board_18-GPDI_D2-: C6#11.1 J2#10.9
Board_18-GPDI_ETH+: C5#19.1 J2#10.14
Board_18-GPDI_ETH-: D3#17.1 J2#10.13 R28#12.2
Board_18-GPDI_SCL: P1#20.15 R6#15.2 U2#20.6
Board_18-GPDI_SDA: P1#20.16 R7#12.2 U2#20.5
Board_18-Net-(D1-A): D1#6.2 L1#11.2 U1#3.5
Board_18-Net-(D1-K): C12.1 D1#6.1 D4#14.2 JP2#10.1 U1#3.2
Board_18-Net-(D2-K): D2#11.1 R2#16.1
Board_18-Net-(U2-VREF2): C13#6.1 R5#5.2 U2#20.7
Board_18-PMOD_SCL: J2#10.3 R4#15.2 U2#20.3
Board_18-PMOD_SDA: J2#10.4 R3#18.2 U2#20.4
Board_19-5V_ENABLE: D2#13.2 J2#2.1 JP1#8.1 JP1#8.2 JP2#14.2 R29#18.1 U1.1
Board_19-+3V3: C11#19.1 J2#2.17 J2#2.18 L1#2.1 R3#6.1 R4.1 R8#18.1 R9#3.1 R11#4.1 R12#20.1 R13#3.1 R15#16.1 R16#15.1 R17.1 R19#2.1 R20#20.1 R21#11.1 R23#3.1 U2#11.2 U2#11.8
Board_19-+5V: D4#4.1 P1#16.18 R5#3.1 R6#10.1 R7#8.1
Board_19-/CEC: P1#16.13 R1#5.1
Board_19-/CLK+: C4#10.2 P1#16.10 R20#20.2
Board_19-/CLK-: C9#12.2 P1#16.12 R23#3.2
Board_19-/D0+: C3#13.2 P1#16.7 R16#15.2
Board_19-/D0-: C8.2 P1#16.9 R19#2.2
Board_19-/D1+: C2#20.2 P1#16.4 R12#20.2
Board_19-/D1-: C7#11.2 P1#16.6 R15#16.2
Board_19-/D2+: C1#3.2 P1#16.1 R8#18.2
Board_19-/D2-: C6#6.2 P1#16.3 R11#4.2
Board_19-/ETH+: C5#12.2 P1#16.14
Board_19-/ETH-: P1#16.19 R28#15.1
Board_19-GND: C11#19.2 C12#20.2 C13#12.2 D3#13.2 J2#2.15 J2#2.16 P1#16.0 P1#16.2 P1#16.5 P1#16.8 P1#16.11 P1#16.17 R2#19.2 R10#12.2 R14#5.2 R18#8.2 R22#9.2 R29#18.2 U1.4 U2#11.1
Board_19-GPDI_CEC: J2#2.2 R1#5.2
Board_19-GPDI_CLK+: C4#10.1 J2#2.12 R21#11.2 R22#9.1
Board_19-GPDI_CLK-: C9#12.1 J2#2.11
Board_19-GPDI_D0+: C3#13.1 J2#2.6 R9#3.2 R10#12.1
Board_19-GPDI_D0-: C8.1 J2#2.5
Board_19-GPDI_D1+: C2#20.1 J2#2.8 R13#3.2 R14#5.1
Board_19-GPDI_D1-: C7#11.1 J2#2.7
Board_19-GPDI_D2+: C1#3.1 J2#2.10 R17.2 R18#8.1
Board_19-GPDI_D2-: C6#6.1 J2#2.9
Board_19-GPDI_ETH+: C5#12.1 J2#2.14
Board_19-GPDI_ETH-: D3#13.1 J2#2.13 R28#15.2
Board_19-GPDI_SCL: P1#16.15 R6#10.2 U2#11.6
Board_19-GPDI_SDA: P1#16.16 R7#8.2 U2#11.5
Board_19-Net-(D1-A): D1#20.2 L1#2.2 U1.5
Board_19-Net-(D1-K): C12#20.1 D1#20.1 D4#4.2 JP2#14.1 U1.2
Board_19-Net-(D2-K): D2#13.1 R2#19.1
Board_19-Net-(U2-VREF2): C13#12.1 R5#3.2 U2#11.7
Board_19-PMOD_SCL: J2#2.3 R4.2 U2#11.3
Board_19-PMOD_SDA: J2#2.4 R3#6.2 U2#11.4

Pads without a net: U1 3; U1#2 3; U1#3 3; U1#4 3; U1#5 3; U1#6 3; U1#7 3; U1#8 3; U1#9 3; U1#10 3; U1#11 3; U1#12 3; U1#13 3; U1#14 3; U1#15 3; U1#16 3; U1#17 3; U1#18 3; U1#19 3; U1#20 3

## Via types
v1: diameter 0.4, hole 0.2, Top to Bottom, 2560 vias

## Routing (per net, layer and track width the routed paths; a pad name or vN(x,y) marks a point on that pad's centre or on a via; arc(x,y) is an arc through that point)
Board_0-5V_ENABLE: length 54.8
  Top w0.127: 39.8,152.15 J2#9.1 41.26,152.62 42.39,151.49 43.46,151.49 44.5,150.45 44.5,134.53 43.41,133.44 39.7,133.44 38.83,134.31 38.83,137.32 37.51,138.64 v1(37.34,138.64) ; v1(30.41,137.28) 30.7,137.57 32.96,137.57 U1#8.1 ; D2#19.2 38.59,151.45 v1(38.65,151.51)
  Top w0.2: v1(29.66,137.33) 29.51,137.48 R29#13.1
  Bottom w0.127: v1(38.65,151.51) 39.16,151.51 J2#9.1 ; JP1#2.1 34.12,138.64 v1(37.34,138.64) ; JP2#20.2 32.26,134.13 32.26,134.39 31.86,134.79 30.68,134.79 30.44,135.03 30.43,135.03 30.43,136.25 JP1#2.2 30.42,137 30.41,137.01 v1(30.41,137.28)
  Bottom w0.2: v1(29.66,137.33) 30.42,136.57 JP1#2.2
  Bottom w0.5: JP1#2.2 JP1#2.1
Board_0-+3V3: length 87.4
  Top w0.127: R20#6.1 v1(22.6,144.07) 22.38,143.85 R16#11.1 ; v1(38.47,148.99) 38.3,149.16 R3#20.1 ; v1(35.93,143.38) 35.88,143.33 R13#2.1 ; R15#9.1 22.62,141.42 v1(22.59,141.39) ; v1(22.77,139.35) 23.21,138.91 R11#2.1 ; v1(36.47,148.63) 36.82,148.99 R4#2.1 ; R23#10.1 23.27,146.35 v1(23.29,146.37) ; v1(32.94,146.24) 33.36,145.82 R9#16.1 ; L1#18.1 33.88,132.93 v1(33.86,132.95) ; R19#18.1 v1(22.6,143.06) ; v1(27.85,143.45) R21#8.1 ; v1(22.27,138.99) 22.26,138.97 R12#16.1
  Top w0.15: v1(31.55,147.4) 31.54,147.41 U2#2.8 ; v1(36.47,148.63) 36.37,148.53 U2#2.2
  Top w0.2: R8.1 23.23,136.84 v1(23.01,136.62) ; C11#11.1 33.48,133.33 v1(33.86,132.95) ; v1(28.1,136.43) 28.07,136.46 R17#8.1
  Bottom w0.127: v1(23.29,146.37) 23.29,144.75 v1(22.6,144.07) ; v1(35.93,143.38) 36.08,143.23 39.57,143.23 39.83,143.5 43.54,143.5 43.89,143.14 43.89,133.38 J2#9.18 ; v1(22.27,138.99) 22.63,139.35 v1(22.77,139.35) 22.77,141.22 v1(22.59,141.39) 22.59,143.05 v1(22.6,143.06) v1(22.6,144.07) ; v1(22.6,144.07) 23.3,143.37 27.77,143.37 v1(27.85,143.45) 28.79,143.45 31.58,146.24 v1(32.94,146.24) 35.34,148.63 v1(36.47,148.63) 38.12,148.63 v1(38.47,148.99)
  Bottom w0.15: v1(31.55,147.4) 31.78,147.4 v1(32.94,146.24)
  Bottom w0.2: v1(22.77,139.35) 23.01,139.11 v1(23.01,136.62) 23.03,136.6 27.93,136.6 v1(28.1,136.43) 28.1,134.68 29.65,133.14 29.65,133 30.24,132.41 33.32,132.41 v1(33.86,132.95)
  Bottom w0.3: v1(33.86,132.95) 33.9,132.99 42.11,132.99 J2#9.18
